# KiCad board handheld.kicad_pcb (continued)
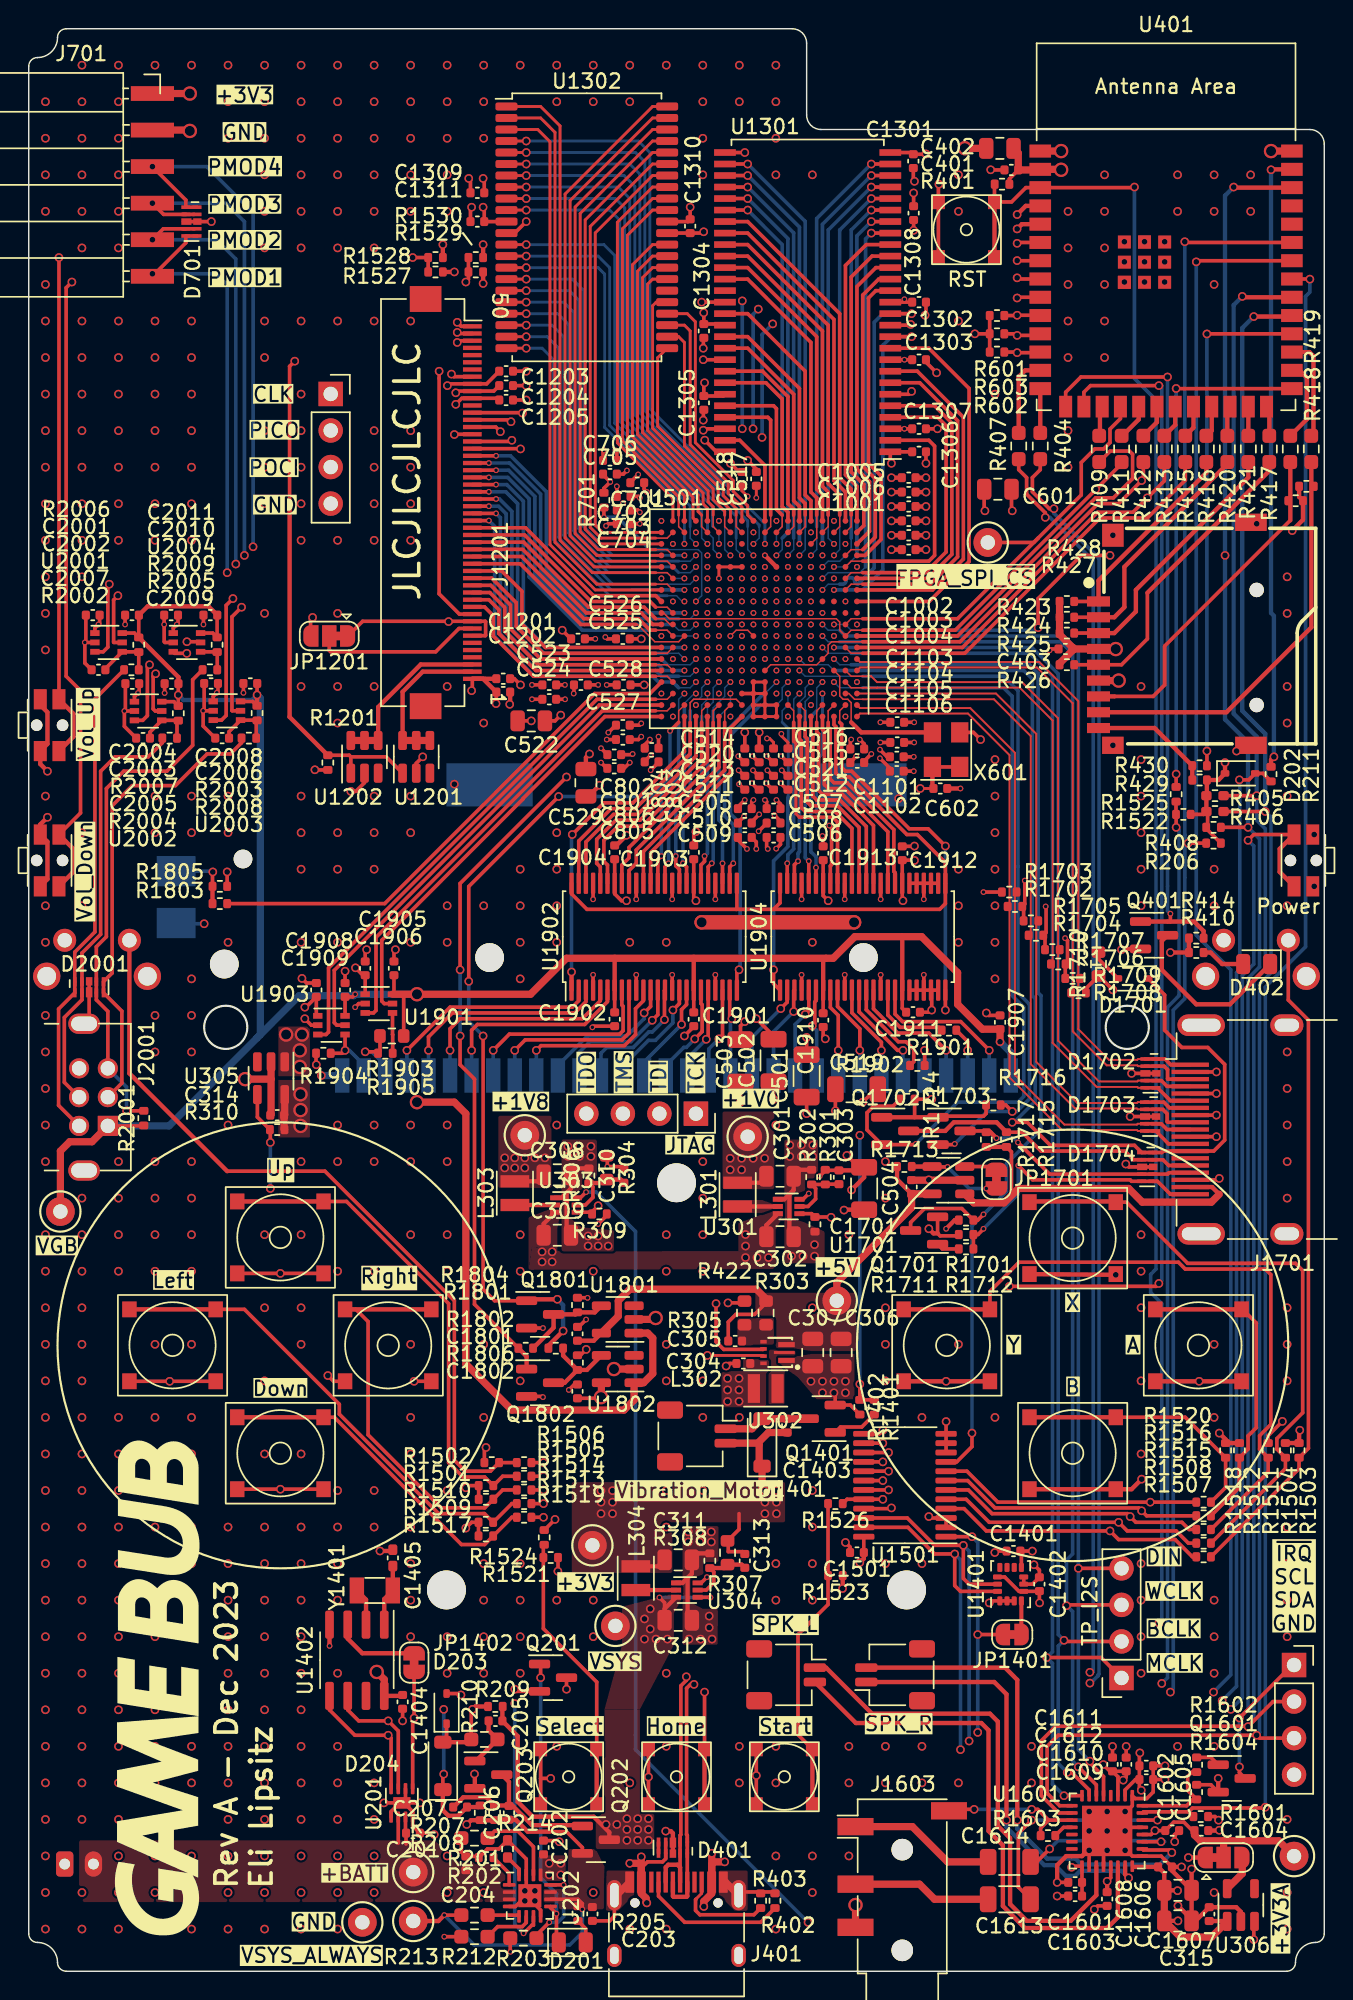
[diagram p0: board, top side]
## Routing (per net, layer and track width the routed paths; a pad name or vN(x,y) marks a point on that pad's centre or on a via; arc(x,y) is an arc through that point) (continued)
  F.Cu (SIG) w0.5: J701.1 v3(11.2,130.5)
  F.Cu (SIG) w1: v3(46.8,72.9) v3(57.4,72.9)
  In3.Cu (PWR) w0.5: 60,50 55.87,50 53.05,47.18 53.05,37.13 50.05,34.13 50.05,24.95 50.55,24.45 63.67,24.45 71.52,16.6 76.8,16.6 77.28,16.12 v2(77.28,15.18) 77.28,12.68 v2(77.38,12.57) 80.65,9.3 v2(80.65,7.9)
  B.Cu (SIG) w0.25: v2(12.2,72.8) 10.25,72.8
  vias: v1(44,100.8) v1(44,92.8) v1(44.8,95.2) v1(44.8,87.2) v1(45.6,97.6) v1(45.6,89.6) v1(46.4,100) v1(46.4,92) v1(47.2,94.4) v1(48,88.8) v1(48.8,99.2) v1(52,100.8) v1(52.8,87.2) v1(53.6,97.6) v1(53.6,89.6) v1(54.4,100) v1(54.4,92) v1(55.2,94.4) v1(56,96.8) v1(56,88.8) v1(56.8,99.2) v1(56.8,91.2) v1(57.6,93.6) v1(60.9,116.2) v1(60.9,112) v3(17.9,65.1) v3(18.85,64) v3(18.85,62.85) v3(19,65.1)
+3V3_PG: length 150.3
  F.Cu (SIG) w0.25: v2(76.9,124) 76.86,123.96 U401.3 69.35,123.96 68.35,122.97 67.16,122.97 67.16,124.19 ; v1(47.17,27.39) 46.77,26.99 U304.6
  F.Cu (SIG) w0.3: 67.16,122.97 SW401.2
  In2.Cu (SIG) w0.25: v2(78.6,24.2) 49.4,24.2 48.4,25.2 48.4,26.16 v1(47.17,27.39)
  B.Cu (SIG) w0.25: v2(76.9,124) 76.9,110.7 78.4,109.2 78.4,48.8 78.03,48.42 78.03,47.17 78.8,46.4 78.8,24.4 v2(78.6,24.2)
+3V3A_DAC: length 22.9
  F.Cu (SIG) w0.25: U1601.28 78.05,9.5 v2(78.32,9.78) 79.04,9.78 79.63,10.36 80.34,10.36 80.93,9.78 ; 73.25,6.18 U1601.17 72.6,7.3 v2(72.53,7.22) ; C1603.1 C1601.1
  F.Cu (SIG) w0.5: 83.1,9.06 86.94,9.06 TP304.1 ; 83.1,9.06 JP301.2 ; 83.1,9.06 81.48,9.06 81.07,9.47 C1604.2
  In3.Cu (PWR) w0.5: v2(78.32,9.78) 78.32,9.56 75.99,7.22 v2(72.53,7.22)
+5V: length 33.6
  F.Cu (SIG) w0.25: 51.28,46.45 50.48,45.65 49.18,45.65 48.65,45.12 C305.2
  F.Cu (SIG) w0.3: 39.82,44.35 39.29,43.82 C1801.2 ; C1701.2 60.39,55.03 R1713.1
  F.Cu (SIG) w0.5: 51.28,46.45 51.28,46.72 50.6,47.4 41.81,47.4 41,46.59 41,45.53 39.82,44.35 ; TP305.1 56.2,47.87 61.4,53.07 C1701.2 62.82,54.03
/Power Regulators/+1V0_PG: length 17.4
  F.Cu (SIG) w0.25: U303.4 39.06,52.75 ; U301.6 53.85,53.65 v1(54.25,54.05) ; 39.18,52.78 v2(39.6,53.2)
  In2.Cu (SIG) w0.25: v2(39.6,53.2) 39.68,53.12 53.32,53.12 v1(54.25,54.05)
/Power Regulators/+1V8_PG: length 120.1
  F.Cu (SIG) w0.25: R310.2 15.9,59.36 U305.4 ; U303.6 38.36,53.75 v1(38.76,54.15) ; U306.3 85.2,3.41 v2(85.2,2.2) ; v2(16.8,57.6) 16.8,58.46
  In2.Cu (SIG) w0.25: v1(38.76,54.15) 17.05,54.15 v2(16.8,54.4) ; v2(85.2,2.2) 84.43,2.97 54.62,2.97 v2(54.2,3.4)
  B.Cu (SIG) w0.25: v1(38.76,54.15) 39.46,54.15 42.2,51.41 42.2,15.4 v2(54.2,3.4) ; v2(16.8,54.4) v2(16.8,57.6)
GND: length 400.3
  F.Cu (SIG) w0.2: U302.6 51.05,42.8 47.2,42.8 v2(47.2,42.8)
  F.Cu (SIG) w0.25: v2(48.8,104.8) 49.4,104.2 C518.2 ; 26.1,11.7 26.7,11.1 U201.4 26.7,10.1 C201.1 28.1,9.6 v2(28.2,9.5) ; v2(61.34,114.45) 61.28,114.4 U1301.12 ; U2001.2 v1(3.9,92.35) ; v1(3.9,92.35) 3.97,92.42 C2002.1 ; v1(3.9,92.35) 3.9,90.92 C2007.2 ; C1802.1 37.94,40.78 v1(37.56,40.4) ; C1612.1 v2(79.03,13.32) ; C1612.1 C1611.2 v2(79.03,14.28) ; C1612.1 78.21,12.46 77.75,12 76.95,12 U1601.1 76.75,11.5 v2(75,9.75) 76.75,8 U1601.25 78.75,8 C1606.1 ; C1201.1 33.77,89.83 v2(34.2,89.4) ; J1701.5 v2(82.6,61) ; v2(33.8,19.6) 33.95,19.45 Q201.2 ; 63.26,119.12 63.26,124.16 v2(63.3,124.2) ; 51.32,79.78 v1(50.76,79.23) ; 50.74,82.12 v1(50.29,82.57) ; C1311.1 30.72,122.52 v2(30.8,122.6) ; 35.6,13.4 SW1511.2 ; 35.6,13.4 SW1511.2 ; 35.6,13.4 v2(36.3,13.4) ; U1904.15 v1(59.25,69.25) ; 10.76,121.6 11.53,121.6 ; C1913.1 55.25,78.85 v1(55.2,78.9) ; v2(29.8,114.6) 30.08,114.32 J1201.50 ; 47.75,68.25 v1(47.75,69.25) ; v2(30.06,19.2) 29.96,19.3 D203.2 ; v1(57.8,85.6) 58.1,85.3 C1101.2 ; 49.78,46.45 v2(48.63,46.45) ; SW1505.2 v2(9.8,41) SW1505.2 ; v1(71,91.8) 71.1,91.9 C403.1 ; C1608.1 74.35,4.54 v2(74.11,4.29) ; C1501.2 57.12,29.48 v2(56.8,29.8) ; U1301.52 47.01,107.2 v2(46.91,107.1) ; v1(6.65,87.58) 6.72,87.66 C2004.1 ; v1(6.65,87.58) U2002.2 ; v1(6.65,87.58) 6.65,86.52 C2005.2 ; U1501.21 59.95,32.15 v2(60,32.2) ; v2(19.2,66.2) 19.65,65.75 U1903.2 ; v2(82.75,10.5) 82.5,10.75 R1601.2 ; 39.25,75.67 v1(39.25,74.5) ; 42.25,68.25 v1(42.25,69.25) ; SW1513.2 SW1513.2 ; 50.77,84.02 v1(50.34,84.44) ; U201.1 25.2,11.1 25.8,11.7 ; 58.9,61.3 v2(58,60.4) ; 31.22,7.98 C204.2 30.09,8.29 R201.2 ; v2(29.8,113.9) 29.88,113.82 J1201.49 ; C1601.2 v2(71.53,6.18) ; v2(55.4,64.8) 55.25,64.95 C1910.1 ; C1603.2 v2(71.53,5.22) ; v2(82.8,55.1) 82.7,55 J1701.17 ; J1701.2 v2(82.6,62.5) ; 47.82,105.6 v2(47.01,106.41) ; R1802.1 38.85,46.81 v1(38.86,46.8) ; C401.1 66.91,125.19 v2(66.9,125.2) ; C704.2 40.3,100.6 v1(40.15,100.45) ; C503.2 49.5,65.7 v2(49.8,66) ; C1105.2 v1(61.55,84.4) ; v2(66.6,66.6) 66.77,66.43 C1907.1 ; v2(46.4,79.2) 46.25,79.05 C1903.1 ; SW1509.2 v2(17.5,33.5) SW1509.2 ; 40.9,101.61 v1(41.33,102.03) ; U1904.28 U1904.29 U1904.30 ; U1904.28 U1904.27 U1904.26 ; U1904.28 v1(62.25,74.5) ; 46.92,113.52 46.92,112.81 v2(46.91,112.8) ; v2(27.2,11.7) U201.9 v2(24.7,11.7) ; U1901.2 22.95,67.25 v1(22.7,67) ; X601.2 65.7,86.1 v2(66.2,85.6) ; v2(61.6,78.2) 61.58,78.18 C1912.1 ; 41.84,103.48 v1(42.39,104.03) ; v2(68.4,101.5) 68.35,101.55 C601.2 ; R1402.2 57.14,39.35 Q1401.2 56.09,40.11 v2(56,40.2) ; v2(63.8,38.2) U1501.12 U1501.11 U1501.10 ; v2(22.4,82) 22.75,82 23.35,82.6 U1202.2 ; C2011.1 v1(9.42,93.6) 9.42,92.41 9.47,92.35 U2004.2 ; 52,5.51 49.6,5.51 ; U1601.20 74.75,9.5 ; U1904.21 v1(62.25,69.25) ; U1904.21 U1904.20 U1904.19 ; U1904.21 U1904.22 ; 51.8,65 v2(50.6,66.2) ; v2(19.9,83.5) 19.91,83.49 R1201.2 ; 34.6,5.5 U202.15 34.6,7.8 R214.1 32.7,8.5 31.9,8.5 R202.2 ; v2(29.6,106.8) 29.62,106.82 J1201.35 ; U1301.6 61.2,109.6 v2(61.4,109.8) ; v1(37.9,88.8) 37.92,88.82 C527.2 ; 52.74,82.12 v1(52.29,82.57) ; 64.59,51.11 63.38,51.11 63.21,51.28 Q1701.2 ; v2(76.7,62.4) D1702.3 D1702.8 ; 44.75,75.67 v1(44.75,74.5) ; C705.2 41.35,104.05 v1(41.6,104.3) ; C501.2 v2(54.1,64.9) ; D701.8 v2(12.7,121.6) ; v1(39.2,65.6) 39.28,65.68 C1902.1 ; U1904.39 v1(56.75,74.5) ; 58.1,84.1 v1(58.6,84.6) ; v2(66.8,25.6) 66.94,25.74 U1401.1 U1401.2 U1401.3 ; D1704.8 D1704.3 76.5,55.9 v2(76.3,56.1) ; 34.6,5.25 33.85,4.5 U202.4 ; C706.2 40.9,105.6 v1(40.8,105.7) ; C524.2 v1(35,88.4) ; D2001.8 D2001.3 4.2,66.2 ; v2(62.6,31.6) 62.7,31.5 U1501.3 U1501.2 ; C2009.1 12.2,87.67 v1(12.13,87.6) ; v2(19,69) 19.32,68.68 C1909.1 ; v1(12.13,87.6) 12.13,86.54 C2006.2 ; v1(12.13,87.6) U2003.2 ; U1301.41 v2(46.8,116) ; C2003.1 v1(9.45,88.83) ; C517.2 50.6,104.4 v2(50,105) ; v1(50.6,78) 50.6,78.48 C509.2 ; 49.78,82.12 v1(49.4,82.5) ; Q1801.2 v1(35.76,44.7) ; U1904.4 v1(53.75,69.25) ; C2001.1 v1(6.7,93.6) ; J401.S1 40.73,3.83 40.4,3.5 C203.2 ; 38.25,44.78 v1(38.76,45.29) ; v2(62.34,115.09) 62.4,115.15 C1302.1 ; v2(59.4,37.6) 59.15,37.35 U1501.13 ; v2(67.19,29.1) 67.29,29.2 C1401.2 ; C1103.2 v1(61.58,86.8) ; SW1506.2 21.2,41 v2(20.8,41.4) ; v1(51.2,81.4) 51.32,81.28 C507.2 ; J1701.11 v2(82.6,58) ; U1201.2 26.95,83.95 v2(27.4,84.4) ; C304.2 48.68,42.24 ; 52.77,84.02 v1(52.34,84.44) ; 46.92,108.52 46.92,107.81 v2(46.91,107.8) ; C1905.1 25.4,70.9 v2(25.5,71) ; v2(29.8,113.2) 29.92,113.32 J1201.48 ; C1203.1 v2(34.6,111.2) ; 48.78,42.24 48.6,42.06 ; v2(36.9,9) 36.82,9.08 C202.2 ; C508.2 52.28,78.32 v1(51.98,78.02) ; SW1512.2 v2(43.1,13.5) SW1512.2 ; C1301.1 61.52,124.48 v2(61.6,124.4) ; C525.2 40.23,92.6 v1(40.1,92.73) ; J1701.8 v2(82.6,59.5) ; U1302.34 45.84,121.6 C1310.1 v2(46,122.6) ; v2(76.6,59.4) D1703.3 D1703.8 ; U1601.18 73.75,8.5 ; v2(38.77,43.22) 38.37,42.81 R1806.1 ; C702.2 v1(40.9,103.2) ; U1904.10 v1(56.75,69.25) ; 49.77,84.02 v1(49.34,84.44) ; 50.28,79.88 v1(50.8,80.4) ; 46.25,65.65 v2(45.6,65) ; U202.8 35.6,4.25 34.85,5 ; C1307.1 v2(63.2,107.2) ; v1(35.76,39.9) 35.71,39.95 Q1802.2 ; R203.2 33.49,1.36 v1(33.5,1.35) ; C528.2 v1(40.2,89.4) ; v2(29.4,111) 29.58,110.82 J1201.43 ; R1805.2 v2(13.8,76.4) ; C804.2 42.84,85.24 v1(43.2,85.6) ; U1904.22 U1904.23 ; U1904.22 62.8,68.14 v2(62.8,66.8) 62.65,66.65 C1911.1 ; v2(69.91,28.25) 70.29,27.88 C1402.1 69.81,26.9 U1401.6 U1401.7 ; C1104.2 v1(61.58,85.4) ; R212.1 v1(28.9,2.4) ; 37.7,92.6 v2(37.1,93.2) ; SW1501.2 v2(17.5,48.5) SW1501.2 ; 40.2,83.6 v1(39.8,84) ; v2(30.6,124.6) 30.72,124.48 C1309.2 ; C1610.1 v2(75.38,15.62) ; 47.75,75.67 v1(47.75,74.5) ; C1404.1 v2(26,17.4) ; U1601.29 75.25,10 ; C523.2 v1(35,89.4) ; C1609.2 v2(76.32,15.62) ; v2(23.5,71) 23.4,70.9 C1906.1 ; U201.6 26.2,11.95 ; v1(50.4,81.4) 50.28,81.28 C505.2 ; C1306.1 v2(62.4,104.8) ; U1904.45 v1(53.75,74.5) ; U1301.28 v2(49.8,126.4) ; 51.74,82.12 v1(51.29,82.57) ; 44.75,68.25 v1(44.75,69.25) ; C522.2 v2(34.95,86.9) ; v2(19.74,94.09) 19.6,93.95 JP1201.3 ; C1204.1 v2(34.6,110.2) ; 62.4,111.83 v2(63.14,111.09) ; C1106.2 v1(61.55,83.4) ; 51.77,84.02 v1(51.34,84.44) ; C801.2 v1(40.2,85.6) ; 40.82,86.6 v1(40.31,86.09) ; 39.25,68.25 v1(39.25,69.25) ; R1604.2 82.22,12.96 Q1601.2 ; C1205.1 v2(34.6,109.2) ; U1301.46 v2(46.91,112) ; SW1506.2 v2(26.8,41) ; C2010.1 v1(12.15,93.6) ; 40.24,84.56 v1(39.8,85) ; 42.84,84.1 v1(43.27,84.53) ; U1904.34 v1(59.25,74.5) ; 42.25,75.67 v1(42.25,74.5) ; C1908.1 v2(22,69.5) ; C2008.1 v1(14.93,88.85) ; C1308.2 v2(61.54,120.99) ; 33.8,120.8 v2(34.6,121.6)
  F.Cu (SIG) w0.3: C1604.1 82.78,9.78 v2(82.8,9.8) ; 45.82,27.34 45.47,26.99 U304.1 ; 45.82,27.34 45.82,24.69 ; 45.82,27.34 46.12,27.64 C311.2 46.57,29.04 R308.2 ; C1605.2 79.5,7 C1606.1 v2(80.18,7.25) ; C1605.2 C1607.2 ; C1605.2 v2(80.88,7.1) ; 81.15,3.5 C315.2 83.97,4.45 84.3,4.12 U306.2 ; 52.9,54 53.2,54.3 C301.2 53.65,55.7 R302.2 ; 52.9,54 52.9,51.35 ; 52.9,54 52.55,53.65 U301.1 ; v2(31,13.71) 31.03,13.69 Q203.2 ; 37.41,51.45 37.41,54.1 ; 37.41,54.1 37.71,54.4 C308.2 38.16,55.8 R306.2 ; 37.41,54.1 37.06,53.75 U303.1 ; C1904.1 40.87,78.24 v2(41.57,78.95) ; SW1507.2 v2(63.8,41) SW1507.2 ; C1001.2 v2(62.4,101.8) ; 25.32,29.21 24.51,29.21 ; SW1508.2 v2(81.4,41) SW1508.2 ; D401.8 D401.3 44.8,9.59 44.65,9.74 v2(44.3,9.74) ; v2(62.6,51.6) 62.92,51.28 63.21,51.28 ; SW1504.2 v2(75.6,48.4) ; v1(20.92,22.61) 20.92,22.62 U1402.4 ; v2(71.53,6.18) 71.53,7.37 72.15,8 U1601.16 73.25,8 v2(75,9.75) ; C1202.1 33.48,88.08 v2(33.45,88.05) ; v2(77.4,34.2) 76.7,33.5 SW1510.2 SW1510.2 ; v2(56.7,52.9) 56.72,52.92 58.1,52.92 ; v2(79.7,9) 79.7,9.47 C1602.1 ; C602.1 v1(64.8,82.2) ; C1005.2 v2(62.4,103.8) ; Q1601.2 v2(82.72,13.4) ; v2(76,71) 76.05,71.05 Q401.2 ; C529.2 38.75,84.35 v2(39,84.6) ; C1003.2 v2(62.4,99.8) ; C1004.2 v2(62.4,98.8) ; SW1515.2 1.3,75.9 1.3,78.5 SW1515.2 0.8,79.7 v2(1.3,80.2) ; 80.88,3.6 v2(79.93,4.55) ; v2(1.3,83.4) 0.8,83.9 SW1514.2 1.3,85.3 1.3,87.5 0.8,88 ; C1002.2 v2(62.4,100.8) ; C1006.2 v2(62.4,102.8)
  F.Cu (SIG) w0.5: U1701.2 62.62,54.97 v2(62.6,55) 62.57,54.97 61.41,54.97 ; 16.85,62 16.85,59.54 C314.1 ; 16.85,62 v3(15.05,62) ; 16.85,62 U305.2 ; v3(43.6,45.4) 43.5,45.3 U1801.2 ; v3(11.2,127.9) 11.14,127.96 J701.2 ; v3(40.7,41.85) U1802.2 ; J401.A12 48.46,6.19 J401.S1 ; J402.6 v3(75.8,89.7) ; U401.40 v3(86.4,126.5) ; v3(65.1,126.7) 65.11,126.69 C402.2 ; 40.88,5.28 J401.A1 ; J1603.R2 v3(57.5,4.6) ; U401.1 v3(71.8,126.5)
  B.Cu (SIG) w0.5: J1901.32 v2(20.35,62.25)
  vias: v1(44,96.8) v1(44,88.8) v1(44.8,99.2) v1(44.8,91.2) v1(45.6,93.6) v1(46.4,96) v1(46.4,88) v1(47.2,98.4) v1(47.2,90.4) v1(48,100.8) v1(48,92.8) v1(48.8,96.8) v1(48.8,95.2) v1(48.8,93.6) v1(48.8,92) v1(48.8,87.2) v1(49.6,96) v1(49.6,94.4) v1(49.6,92.8) v1(49.6,91.2) v1(49.6,89.6) v1(50.4,100) v1(50.4,96.8) v1(50.4,95.2) v1(50.4,94.4) v1(50.4,93.6) v1(50.4,92) v1(51.2,96) v1(51.2,95.2) v1(51.2,94.4) v1(51.2,93.6) v1(51.2,92.8) v1(51.2,91.2) v1(52,96.8) v1(52,95.2) v1(52,93.6) v1(52,92) v1(52,90.4) v1(52,88.8) v1(52.8,99.2) v1(52.8,96) v1(52.8,94.4) v1(52.8,92.8) v1(52.8,91.2) v1(53.6,93.6) v1(54.4,96) v1(54.4,88) v1(55.2,98.4) v1(55.2,90.4) v1(56,100.8) v1(56,92.8) v1(56.8,95.2) v1(56.8,87.2) v1(57.6,97.6) v1(57.6,89.6) v2(1.16,129.93) v2(1.16,127.39) v2(1.16,124.85) v2(1.16,122.31) v2(1.16,117.23) v2(1.16,114.69) v2(1.16,112.15) v2(1.16,109.61) v2(1.16,107.07) v2(1.16,104.53) v2(1.16,101.99) v2(1.16,99.45) v2(1.16,96.91) v2(1.16,94.37) v2(1.16,91.83) v2(1.16,81.67) v2(1.16,74.05) v2(1.16,71.51) v2(1.16,66.43) v2(1.16,63.89) v2(1.16,61.35) v2(1.16,58.81) v2(1.16,56.27) v2(1.16,51.19) v2(1.16,48.65) v2(1.16,46.11) v2(1.16,43.57) v2(1.16,41.03) v2(1.16,38.49) v2(1.16,35.95) v2(1.16,33.41) v2(1.16,30.87) v2(1.16,28.33) v2(1.16,25.79) v2(1.16,23.25) v2(1.16,20.71) v2(1.16,18.17) v2(1.16,15.63) v2(1.16,13.09) v2(1.16,10.55) v2(1.16,8.01) v2(1.16,5.47) v2(1.16,2.93) v2(3.7,132.47) v2(3.7,129.93) v2(3.7,127.39) v2(3.7,124.85) v2(3.7,122.31) v2(3.7,119.77) v2(3.7,114.69) v2(3.7,112.15) v2(3.7,109.61) v2(3.7,107.07) v2(3.7,104.53) v2(3.7,101.99) v2(3.7,99.45) v2(3.7,96.91) v2(3.7,79.13) v2(3.7,74.05) v2(3.7,53.73) v2(3.7,51.19) v2(3.7,48.65) v2(3.7,46.11) v2(3.7,43.57) v2(3.7,41.03) v2(3.7,38.49) v2(3.7,35.95) v2(3.7,33.41) v2(3.7,30.87) v2(3.7,28.33) v2(3.7,25.79) v2(3.7,23.25) v2(3.7,20.71) v2(3.7,18.17) v2(3.7,15.63) v2(3.7,13.09) v2(3.7,10.55) v2(3.7,5.47) v2(3.7,2.93) v2(6.24,132.47) v2(6.24,129.93) v2(6.24,127.39) v2(6.24,124.85) v2(6.24,122.31) v2(6.24,119.77) v2(6.24,114.69) v2(6.24,112.15) v2(6.24,109.61) v2(6.24,107.07) v2(6.24,104.53) v2(6.24,101.99) v2(6.24,99.45) v2(6.24,56.27) v2(6.24,53.73) v2(6.24,51.19) v2(6.24,48.65) v2(6.24,38.49) v2(6.24,35.95) v2(6.24,33.41) v2(6.24,30.87) v2(6.24,28.33) v2(6.24,25.79) v2(6.24,23.25) v2(6.24,20.71) v2(6.24,18.17) v2(6.24,15.63) v2(6.24,13.09) v2(6.24,10.55) v2(6.24,8.01) v2(6.24,5.47) v2(6.24,2.93) v2(8.78,132.47) v2(8.78,114.69) v2(8.78,112.15) v2(8.78,109.61) v2(8.78,107.07) v2(8.78,104.53) v2(8.78,101.99) v2(8.78,99.45) v2(8.78,81.67) v2(8.78,79.13) v2(8.78,66.43) v2(8.78,63.89) v2(8.78,56.27) v2(8.78,53.73) v2(8.78,51.19) v2(8.78,48.65) v2(8.78,43.57) v2(8.78,38.49) v2(8.78,35.95) v2(8.78,33.41) v2(8.78,30.87) v2(8.78,28.33) v2(8.78,25.79) v2(8.78,23.25) v2(8.78,20.71) v2(8.78,18.17) v2(8.78,15.63) v2(8.78,13.09) v2(8.78,10.55) v2(8.78,8.01) v2(8.78,5.47) v2(8.78,2.93) v2(11.32,132.47) v2(11.32,114.69) v2(11.32,112.15) v2(11.32,109.61) v2(11.32,107.07) v2(11.32,104.53) v2(11.32,101.99) v2(11.32,99.45) v2(11.32,81.67) v2(11.32,79.13) v2(11.32,68.97) v2(11.32,66.43) v2(11.32,63.89) v2(11.32,56.27) v2(11.32,53.73) v2(11.32,51.19) v2(11.32,48.65) v2(11.32,43.57) v2(11.32,38.49) v2(11.32,35.95) v2(11.32,33.41) v2(11.32,30.87) v2(11.32,28.33) v2(11.32,25.79) v2(11.32,23.25) v2(11.32,20.71) v2(11.32,18.17) v2(11.32,15.63) v2(11.32,13.09) v2(11.32,10.55) v2(11.32,8.01) v2(11.32,5.47) v2(11.32,2.93) v2(13.86,132.47) v2(13.86,129.93) v2(13.86,127.39) v2(13.86,81.67) v2(13.86,79.13) v2(13.86,71.51) v2(13.86,58.81) v2(13.86,30.87) v2(13.86,28.33) v2(13.86,25.79) v2(13.86,23.25) v2(13.86,20.71) v2(13.86,18.17) v2(13.86,15.63) v2(13.86,13.09) v2(13.86,10.55) v2(13.86,8.01) v2(13.86,5.47) v2(13.86,2.93) v2(16.4,132.47) v2(16.4,129.93) v2(16.4,127.39) v2(16.4,124.85) v2(16.4,122.31) v2(16.4,119.77) v2(16.4,114.69) v2(16.4,112.15) v2(16.4,109.61) v2(16.4,107.07) v2(16.4,104.53) v2(16.4,101.99) v2(16.4,94.37) v2(16.4,51.19) v2(16.4,46.11) v2(16.4,41.03) v2(16.4,35.95) v2(16.4,30.87) v2(16.4,28.33) v2(16.4,25.79) v2(16.4,23.25) v2(16.4,20.71) v2(16.4,18.17) v2(16.4,15.63) v2(16.4,13.09) v2(16.4,10.55) v2(16.4,8.01) v2(16.4,5.47) v2(16.4,2.93) v2(18.94,132.47) v2(18.94,129.93) v2(18.94,127.39) v2(18.94,124.85) v2(18.94,122.31) v2(18.94,119.77) v2(18.94,114.69) v2(18.94,109.61) v2(18.94,107.07) v2(18.94,104.53) v2(18.94,101.99) v2(18.94,99.45) v2(18.94,89.29) v2(18.94,81.67) v2(18.94,79.13) v2(18.94,76.59) v2(18.94,71.51) v2(18.94,56.27) v2(18.94,51.19) v2(18.94,46.11) v2(18.94,43.57) v2(18.94,35.95) v2(18.94,30.87) v2(18.94,28.33) v2(18.94,25.79) v2(18.94,23.25) v2(18.94,20.71) v2(18.94,18.17) v2(18.94,15.63) v2(18.94,13.09) v2(18.94,10.55) v2(18.94,8.01) v2(18.94,5.47) v2(18.94,2.93) v2(21.48,132.47) v2(21.48,129.93) v2(21.48,127.39) v2(21.48,124.85) v2(21.48,122.31) v2(21.48,119.77) v2(21.48,114.69) v2(21.48,99.45) v2(21.48,94.37) v2(21.48,89.29) v2(21.48,86.75) v2(21.48,79.13) v2(21.48,76.59) v2(21.48,71.51) v2(21.48,58.81) v2(21.48,56.27) v2(21.48,48.65) v2(21.48,33.41) v2(21.48,30.87) v2(21.48,28.33) v2(21.48,25.79) v2(21.48,20.71) v2(21.48,15.63) v2(21.48,13.09) v2(21.48,10.55) v2(21.48,8.01) v2(21.48,5.47) v2(21.48,2.93) v2(24.02,132.47) v2(24.02,129.93) v2(24.02,127.39) v2(24.02,124.85) v2(24.02,122.31) v2(24.02,119.77) v2(24.02,114.69) v2(24.02,107.07) v2(24.02,104.53) v2(24.02,101.99) v2(24.02,99.45) v2(24.02,89.29) v2(24.02,81.67) v2(24.02,79.13) v2(24.02,76.59) v2(24.02,58.81) v2(24.02,56.27) v2(24.02,48.65) v2(24.02,33.41) v2(24.02,30.87) v2(24.02,13.09) v2(24.02,10.55) v2(24.02,8.01) v2(24.02,5.47) v2(24.43,29.21) v2(26.56,132.47) v2(26.56,129.93) v2(26.56,127.39) v2(26.56,124.85) v2(26.56,122.31) v2(26.56,114.69) v2(26.56,107.07) v2(26.56,104.53) v2(26.56,101.99) v2(26.56,99.45) v2(26.56,81.67) v2(26.56,79.13) v2(26.56,71.51) v2(26.56,58.81) v2(26.56,56.27) v2(26.56,51.19) v2(26.56,43.57) v2(26.56,38.49) v2(26.56,35.95) v2(26.56,30.87) v2(26.56,28.33) v2(26.56,25.79) v2(26.56,23.25) v2(29.1,132.47) v2(29.1,129.93) v2(29.1,127.39) v2(29.1,124.85) v2(29.1,122.31) v2(29.1,89.29) v2(29.1,74.05) v2(29.1,71.51) v2(29.1,58.81) v2(29.1,56.27) v2(29.1,51.19) v2(29.1,48.65) v2(29.1,33.41) v2(29.1,23.25) v2(29.1,20.71) v2(29.1,8.01) v2(29.1,5.47) v2(29.6,82.5) v2(31.64,132.47) v2(31.64,129.93) v2(31.64,127.39) v2(31.64,86.75) v2(31.64,74.05) v2(31.64,43.57) v2(31.64,38.49) v2(31.64,28.33) v2(31.64,25.79) v2(31.64,23.25) v2(31.64,20.71) v2(31.64,5.47) v2(34.18,132.47) v2(34.18,76.59) v2(34.18,74.05) v2(34.18,71.51) v2(34.18,68.97) v2(34.18,51.19) v2(34.18,48.65) v2(34.18,41.03) v2(34.18,28.33) v2(34.18,25.79) v2(34.18,23.25) v2(34.18,20.71) v2(34.5,5.59) v2(34.5,4.89) v2(35.2,5.59) v2(35.2,4.89) v2(36.72,132.47) v2(36.72,129.93) v2(36.72,79.13) v2(36.72,76.59) v2(36.72,74.05) v2(36.72,71.51) v2(36.72,58.81) v2(36.72,25.79) v2(36.72,15.63) v2(37.5,57.33) v2(37.5,56.63) v2(38.3,57.33) v2(38.3,56.63) v2(38.9,51.1) v2(38.9,50.4) v2(39.1,57.33) v2(39.1,56.63) v2(39.26,132.47) v2(39.26,129.93) v2(39.26,48.65) v2(39.26,25.79) v2(39.26,23.25) v2(39.26,5.47) v2(39.6,51.1) v2(39.6,50.4) v2(40.3,50.4) v2(41.8,132.47) v2(41.8,129.93) v2(41.8,71.51) v2(41.8,13.09) v2(41.8,2.93) v2(44.34,132.47) v2(44.34,71.51) v2(44.34,51.19) v2(44.34,48.65) v2(44.34,43.57) v2(44.34,41.03) v2(44.34,33.41) v2(44.34,30.87) v2(44.34,20.71) v2(44.34,15.63) v2(44.34,2.93) v2(45.87,30.53) v2(45.87,29.83) v2(45.92,23.08) v2(46.67,30.53) v2(46.67,29.83) v2(46.72,23.08) v2(46.88,132.47) v2(46.88,129.93) v2(46.88,127.39) v2(46.88,124.85) v2(46.88,56.27) v2(46.88,53.73) v2(46.88,51.19) v2(46.88,48.65) v2(46.88,41.03) v2(46.88,38.49) v2(46.88,33.41) v2(47.32,24.68) v2(47.32,23.88) v2(47.47,30.53) v2(47.47,29.83) v2(47.52,23.08) v2(48.5,42.06) v2(49.42,132.47) v2(49.42,129.93) v2(49.42,38.49) v2(49.42,15.63) v2(49.42,13.09) v2(50.6,13.6) v2(51.96,132.47) v2(51.96,129.93) v2(51.96,127.39) v2(51.96,124.85) v2(51.96,58.81) v2(51.96,28.33) v2(51.96,25.79) v2(51.96,15.63) v2(51.96,13.09) v2(51.96,8.01) v2(51.96,2.93) v2(52.93,57.42) v2(52.93,56.62) v2(53.05,49.7) v2(53.73,57.42) v2(53.73,56.62) v2(53.85,49.7) v2(54.4,41) v2(54.5,124.85) v2(54.5,71.51) v2(54.53,57.42) v2(54.53,56.62) v2(54.5,46.11) v2(54.5,33.41) v2(54.5,30.87) v2(54.5,28.33) v2(54.5,25.79) v2(54.5,8.01) v2(54.5,5.47) v2(54.65,50.5) v2(54.65,49.7) v2(55.2,41) v2(55.2,40.2) v2(56,41) v2(56.8,41) v2(56.8,40.2) v2(57.04,51.19) v2(57.04,15.63) v2(57.04,13.09) v2(57.04,8.01) v2(59.58,56.27) v2(59.58,53.73) v2(59.58,46.11) v2(59.58,43.57) v2(59.58,41.03) v2(59.58,28.33) v2(59.58,15.63) v2(59.58,13.09) v2(60.5,81.5) v2(62.12,38.49) v2(62.12,28.33) v2(62.12,15.63) v2(62.12,13.09) v2(64.66,124.85) v2(64.66,122.31) v2(64.66,114.69) v2(64.66,76.59) v2(64.66,74.05) v2(64.66,71.51) v2(64.66,43.57) v2(64.66,13.09) v2(67.2,109.61) v2(67.2,84.21) v2(67.2,81.67) v2(67.2,79.13) v2(67.2,76.59) v2(67.2,74.05) v2(67.2,71.51) v2(67.2,68.97) v2(67.2,38.49) v2(69.74,15.63) v2(69.74,13.09) v2(72.28,122.31) v2(72.28,119.77) v2(72.28,117.23) v2(72.28,114.69) v2(72.28,112.15) v2(72.28,107.07) v2(72.28,104.53) v2(73.75,11.1) v2(73.75,9.75) v2(73.75,8.4) v2(74.82,124.85) v2(74.82,122.31) v2(74.82,119.77) v2(74.82,117.23) v2(74.82,114.69) v2(74.82,112.15) v2(75,11.1) v2(75,8.4) v2(75.4,99.8) v2(75.4,85.2) v2(76.2,120.2) v2(76.2,118.8) v2(76.2,117.4) v2(76.25,11.1) v2(76.25,9.75) v2(76.25,8.4) v2(77.36,89.29) v2(77.36,84.21) v2(77.36,81.67) v2(77.36,79.13) v2(77.36,76.59) v2(77.36,74.05) v2(77.36,51.19) v2(77.36,48.65) v2(77.36,46.11) v2(77.36,41.03) v2(77.36,35.95) v2(77.36,28.33) v2(77.36,25.79) v2(77.36,23.25) v2(77.36,20.71) v2(77.6,120.2) v2(77.6,118.8) v2(77.6,117.4) v2(79,120.2) v2(79,118.8) v2(79,117.4) v2(79.9,124.85) v2(79.9,122.31) v2(79.9,15.63) v2(82.44,124.85) v2(82.44,122.31) v2(82.44,117.23) v2(82.44,76.59) v2(82.44,74.05) v2(82.44,43.57) v2(82.44,38.49) v2(82.44,25.79) v2(82.44,23.25) v2(82.44,20.71) v2(82.44,15.63) v2(82.44,5.47) v2(84,84.8) v2(84.98,124.85) v2(84.98,122.31) v2(85.4,100.6) v2(87.52,96.91) v2(87.52,94.37) v2(87.52,89.29) v2(87.52,86.75) v2(87.52,81.67) v2(87.52,74.05) v2(87.52,63.89) v2(87.52,61.35) v2(87.52,58.81) v2(87.52,56.27) v2(87.52,53.73) v2(87.52,46.11) v2(87.52,43.57) v2(87.52,41.03) v2(87.52,30.87) v2(87.52,28.33) v2(87.52,25.79) v2(87.52,23.25) v2(87.52,10.55) v2(87.52,5.47) v2(87.52,2.93) v2(89.4,79) v2(89.4,75.4)
VBUS: length 15.6
  F.Cu (SIG) w0.25: D401.4 D401.7 44.3,7.82 44.08,7.6 43.03,7.6 42.6,7.17 J401.A4
  F.Cu (SIG) w0.5: v2(46.95,4.5) 46.95,4.86 47.5,5.41 J401.A9 ; v2(41.8,7.5) 42.52,7.5 42.6,7.42 J401.A4 ; J401.A4 v2(42.6,7.95) ; J401.A4 42.6,5.41 42.94,5.07 42.94,4.8 v2(42.98,4.75) ; J401.A9 47.5,7.42 47.68,7.6 v2(48.4,7.6) ; J401.A9 v2(47.5,8.2)
  vias: v2(36.2,7.5) v2(36.2,6.7) v2(37,7.5) v2(37,6.7)
+BATT: length 3.6
  F.Cu (SIG) w0.25: U201.2 25.7,8.9 ; U201.3 26.2,9.64 ; C201.2 26.24,8.84
/Audio/DAC_INT: length 6.6
  F.Cu (SIG) w0.25: U1601.32 80.53,11.5 80.97,11.94 R1604.1 80.6,12.56 80.6,13.53 80.91,13.84 R1602.2
/Audio/DAC_INT_R: length 1.7
  F.Cu (SIG) w0.25: R1602.1 82.22,14.86 Q1601.1
/Audio/Headphone_Jack_R: length 9.7
  F.Cu (SIG) w0.5: J1603.R1 61.95,6.05 63,5 C1613.2
/Audio/Headphone_Left: length 10.8
  F.Cu (SIG) w0.25: U1601.27 v2(78.75,9) ; 70.1,7.6 v2(71,8.5)
  B.Cu (SIG) w0.25: v2(71,8.5) 71.57,9.07 78.93,9.07 79,9
/Audio/Headphone_Mic: length 10.1
  F.Cu (SIG) w0.25: v2(65.75,11.25) 64.1,11.25 ; R1603.2 70.38,9.95 70.93,10.5 ; 70.93,10.5 U1601.11 ; 70.93,10.5 70.18,11.25 v2(69.75,11.25)
  B.Cu (SIG) w0.25: v2(69.75,11.25) v2(65.75,11.25)
/Audio/Headphone_Right: length 16
  F.Cu (SIG) w0.25: v2(69.75,10.5) 68.82,9.57 68.82,5.85 69.68,5 ; v2(78.5,10.5) 77.45,10.5 U1601.30
  B.Cu (SIG) w0.25: v2(78.5,10.5) 78.5,10.5 v2(69.75,10.5)
/Audio/HeadphoneJack_Tip: length 10.2
  F.Cu (SIG) w0.5: J1603.T 61.45,10.05 63.9,7.6 C1614.2
/Audio/MICBIAS: length 1.4
  F.Cu (SIG) w0.25: U1601.12 71.97,10 71.4,9.43
/Audio/Speaker_Left_M: length 36.6
  F.Cu (SIG) w0.3: J1601.1 55.45,21.1 58.65,17.9 66.85,17.9 67.4,17.35 67.4,10.1 68.25,9.25 68.25,4.67 69.42,3.5 72.47,3.5 74.25,5.28 U1601.19
/Audio/Speaker_Left_P: length 38.6
  F.Cu (SIG) w0.3: U1601.22 75.75,3.75 75,3 69.28,3 67.75,4.53 67.75,8.75 66.75,9.75 66.75,16.75 66.25,17.25 57.53,17.25 J1601.2
/Audio/Speaker_Right_M: length 30.5
  F.Cu (SIG) w0.3: J1602.1 67.15,20.1 68,19.25 v2(68,10.5) ; v2(76.49,6.49) 76.25,6.73 U1601.23
  B.Cu (SIG) w0.3: v2(76.49,6.49) 76,6.98 73.12,6.98 72.77,6.62 72.12,6.62 71.38,7.38 70.62,7.38 68,10 v2(68,10.5)
/Audio/Speaker_Right_P: length 35.5
  F.Cu (SIG) w0.25: U1601.26 77.53,8.43 79.32,8.43 v2(79.5,8.25)
  F.Cu (SIG) w0.3: J1602.2 67.9,21.1 68.75,20.25 v2(68.75,10.5)
  B.Cu (SIG) w0.3: v2(79.5,8.25) 78.65,7.4 76.8,7.4 76.77,7.43 73.2,7.43 72.8,7.82 70.83,7.82 68.75,9.9 v2(68.75,10.5)
/Buttons/BTN_A_s: length 22
  F.Cu (SIG) w0.25: R1516.2 84.2,33.63 R1512.2 84.8,36.29 84.8,37.2 85.38,37.78 85.38,45.05 84.43,46
  F.Cu (SIG) w0.3: SW1508.1 SW1508.1
/Buttons/BTN_B_s: length 18.3
  F.Cu (SIG) w0.25: R1520.2 83.24,33.62 R1518.2 80.43,38.5 SW1510.1
  F.Cu (SIG) w0.3: SW1510.1 SW1510.1
/Buttons/BTN_Down_s: length 23.9
  F.Cu (SIG) w0.25: SW1509.1 21.25,38.5 30.09,29.66 31.71,29.66 R1517.2 33.6,31.55 R1519.2
  F.Cu (SIG) w0.3: SW1509.1 SW1509.1
/Buttons/BTN_Home_s: length 101.9
  F.Cu (SIG) w0.25: SW1512.1 v2(47,19.4) ; v2(79.8,79.5) 79.8,80.39 ; R1522.2 79.79,81.28
  F.Cu (SIG) w0.3: SW1512.1 SW1512.1
  In2.Cu (SIG) w0.25: v2(78.8,20) 78,19.2 47.7,19.2 47.5,19.4 v2(47,19.4)
  B.Cu (SIG) w0.25: v2(79.8,79.5) 80,79.3 80,67.8 79.2,67 79.2,20.4 v2(78.8,20)
/Buttons/BTN_L_s: length 54.4
  F.Cu (SIG) w0.25: 13.8,55.6 20.6,55.6 29.6,46.6 29.6,35.52 30.37,34.75 32.11,34.75 R1502.2 R1506.2
  F.Cu (SIG) w0.3: 13.8,55.6 7,62.4 SW1502.1
/Buttons/BTN_Left_s: length 34
  F.Cu (SIG) w0.25: R1513.2 33.6,32.5 R1509.2 31.69,31.81 28.51,31.81 21.6,38.72 21.6,39.4 15,46 SW1505.1
  F.Cu (SIG) w0.3: SW1505.1 SW1505.1
/Buttons/BTN_R_s: length 46.2
  F.Cu (SIG) w0.25: SW1503.1 87.6,67.5 89,66.1 89,36.34 R1503.2 88.35,34.93 R1507.2
